# Altium PCB LCD12864.PcbDoc
Units mm, origin at the board's own origin, x right, y up, seen from the top; angles counter-clockwise.
Board outline 196.85 x 203.2 mm, 2 copper layers (Top Layer, Bottom Layer); 9 components, 17 nets, 98 pads, 0 vias.
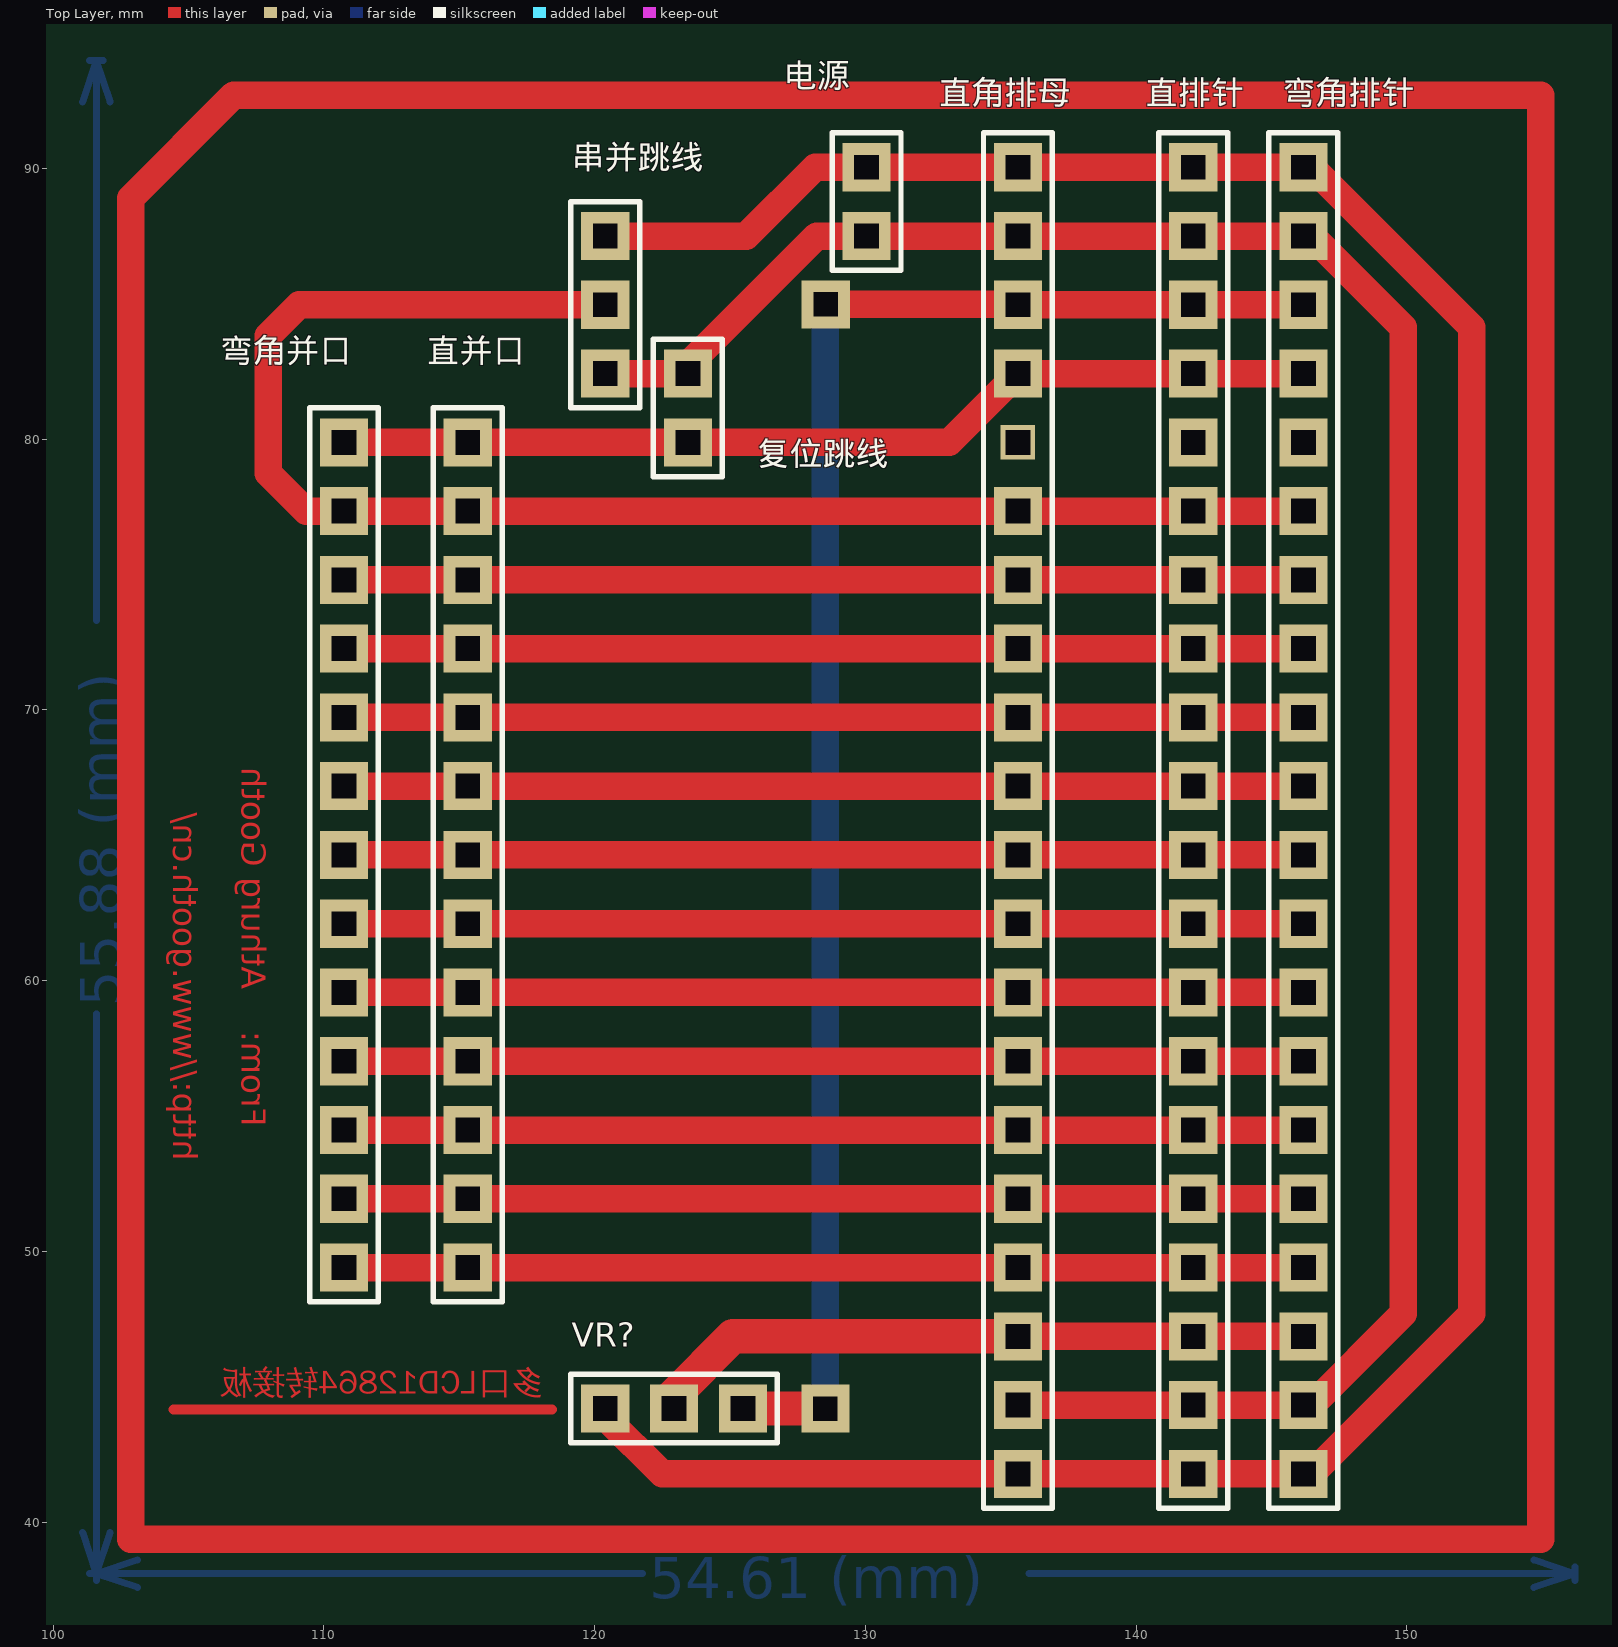
[diagram p0: Top Layer view]
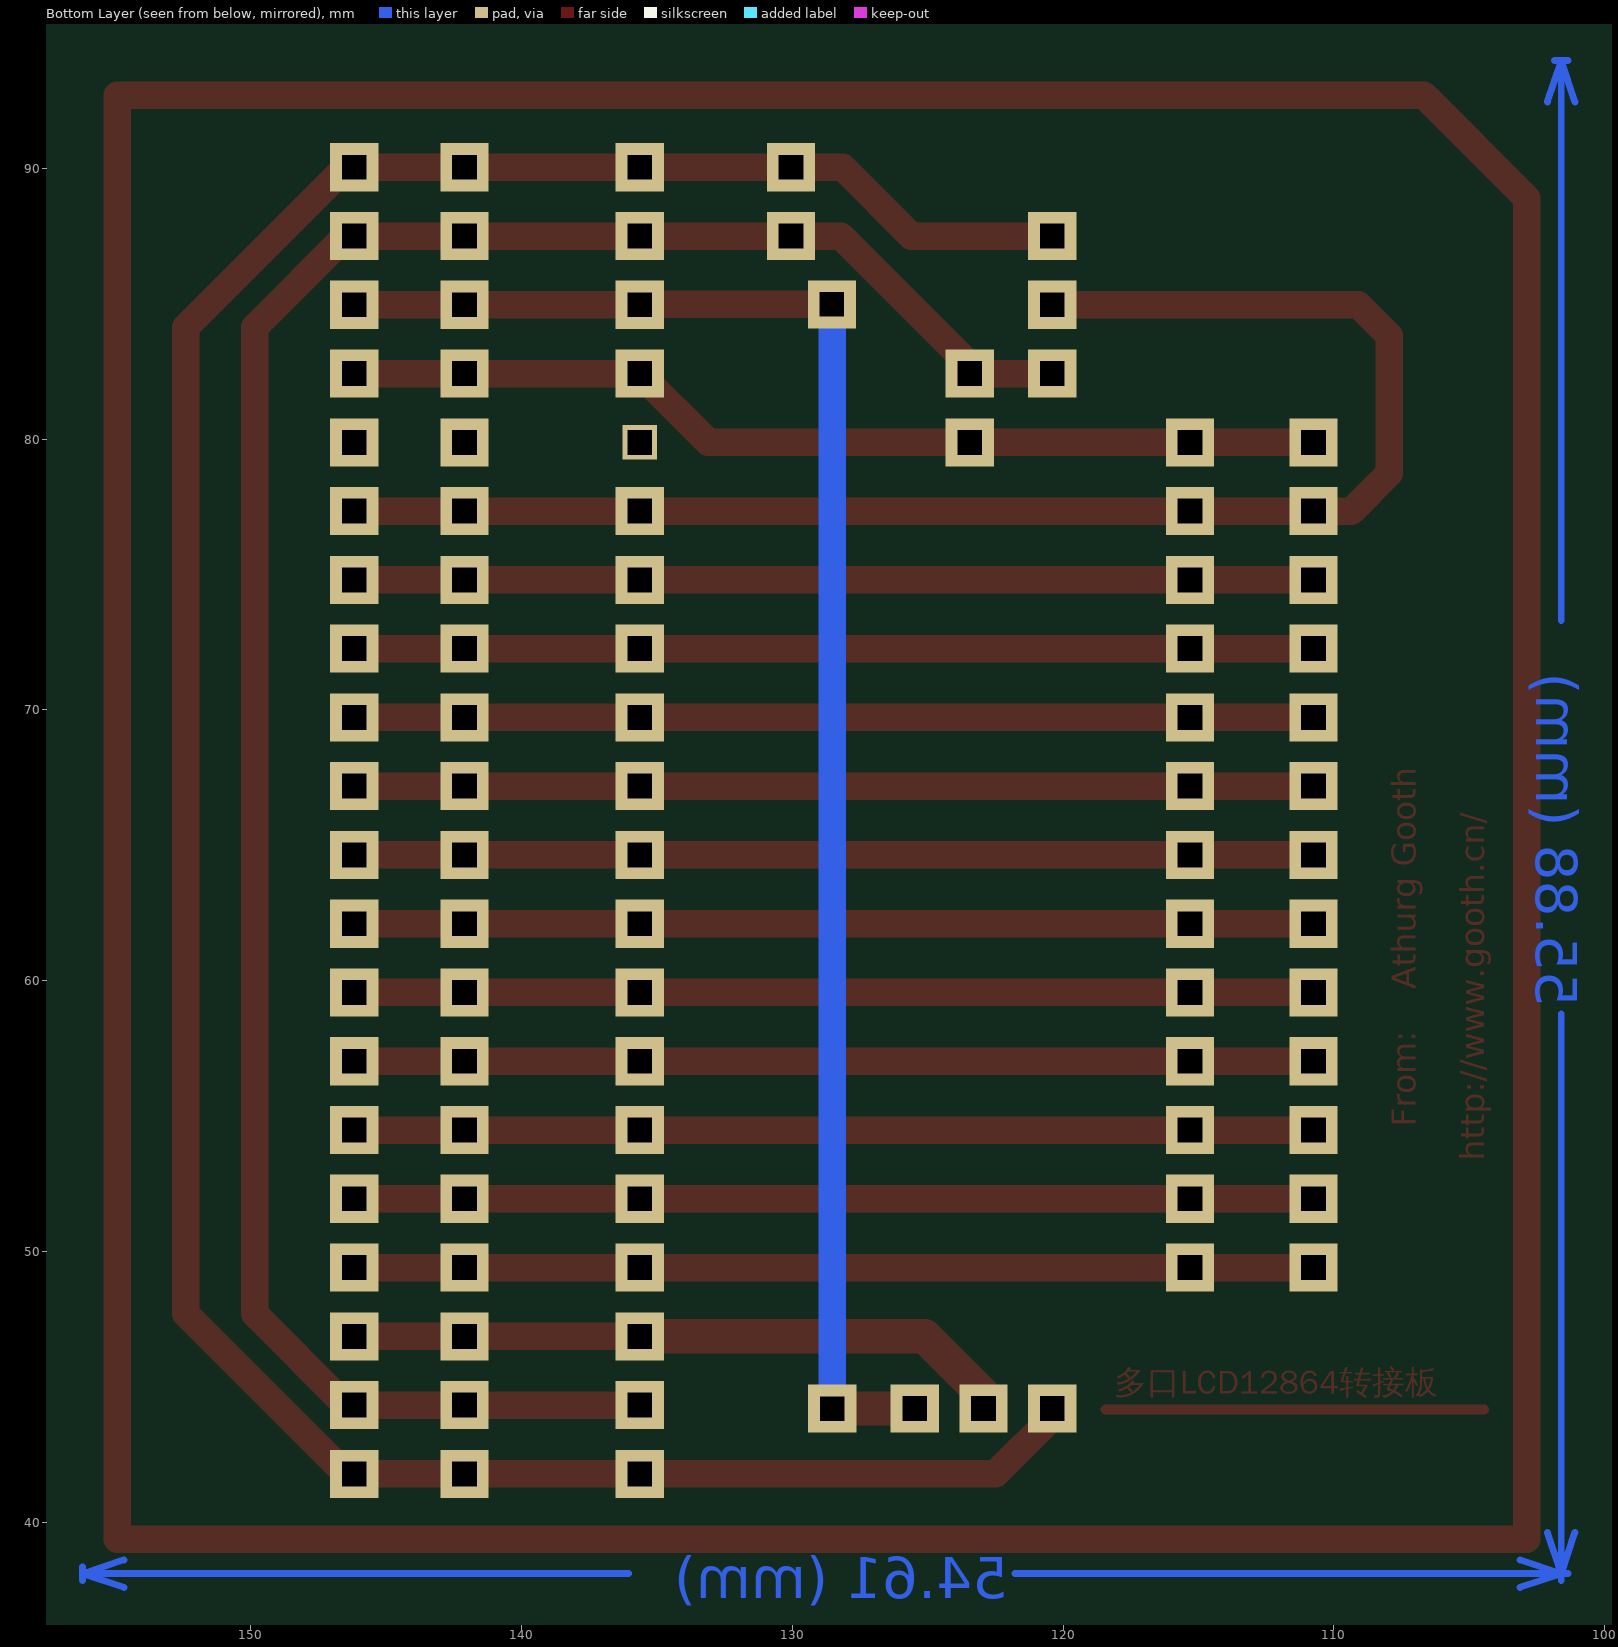
[diagram p1: Bottom Layer view, seen from below]

## Layer stack, top to bottom
Top Layer: signal copper 0.0356
Dielectric: dielectric 0.32, FR-4, Dk 4.8
Bottom Layer: signal copper 0.0356

## Board outline
25.4,25.4 222.25,25.4 215.9,31.75 215.9,228.6 25.4,228.6 25.4,25.4

## Design rules (kind name [scope] priority, off if disabled: settings)
Clearance [All] p1: gap=0.254
PolygonConnect [All] p1: connectstyle=Relief reliefconductorwidth=0.254 reliefentries=4 polygonreliefangle="90 Angle"
RoomDefinition LCD12864 [InComponentClass('LCD12864')] p1: confinementstyle=ConfineIn formatcopy=TRUE lockcomponents=FALSE outline 100.33,36.83 157.48,36.83 157.48,95.25 100.33,95.25
RoutingVias [All] p1: holewidth=0.711 width=1.27 viastyle="Through Hole" minholewidth=0.711 minwidth=1.27 maxholewidth=0.711 maxwidth=1.27
SilkscreenOverComponentPads [All] p1: minsilkscreentomaskgap=0.254
SolderMaskExpansion [All] p1: expansion=0.102
TestPointUsage [All] p1: valid=0 allowmultiple=FALSE
Testpoint [All] p1: side=15 testpointundercomponent=TRUE minsize=1.016 maxsize=2.54 preferedsize=1.524 minholesize=0 maxholesize=1.016 preferedholesize=0.813 testpointgrid=0.025 style=1023 order=0123456789
Width [All] p1: maxlimit=2.032 minlimit=0.381 preferedwidth=1.016
23 further rules are at their usual default settings.

## Components (designator, comment, footprint, x,y, rotation, side; value= is the part's Value field where it differs from the comment)
VR? "variable resister" HDR1X3 120.396,44.196 r0 top
串并跳线 "Header 3" HDR1X3 120.396,82.423 r90 top
复位跳线 "Header 2" HDR1X2 123.444,82.423 r270 top
弯角并口 "弯角并口" HDR1X13 110.744,49.403 r90 top
弯角排针 "弯角排针" HDR1X20#1 146.177,41.783 r90 top
电源 "电源" HDR1X2 130.048,87.503 r90 top
直并口 "直并口" HDR1X13 115.316,49.403 r90 top
直排针 "弯角插针" HDR1X20#1 142.113,41.783 r90 top
直角排母 "直角排母" HDR1X20#2 135.636,41.783 r90 top

## Footprints (in the part's own frame and the unit in brackets; to place one, negate y for a bottom-side part, rotate by r counter-clockwise, add the part's x,y. Pads: shape width x height; smd on the part's side, far side on the other; paste and mask are expansions set on the pad)
HDR1X2 [mil] "Connector; Header; 2 Position"
  rect 70x70 hole 35.43 square: 1(0,0) 2(100,0)
  silkscreen extent -50,-50 150,50
HDR1X3 [mil] "Connector; Header; 3 Position"
  rect 70x70 hole 35.43 square: 1(0,0) 2(100,0) 3(200,0)
  silkscreen extent -50,-50 250,50
HDR1X13 [mil] "Connector; Header; 13 Position"
  rect 70x70 hole 35.43 square: 1(0,0) 2(100,0) 3(200,0) 4(300,0) 5(400,0) 6(500,0) 7(600,0) 8(700,0) 9(800,0) 10(900,0) 11(1000,0) 12(1100,0) 13(1200,0)
  silkscreen extent -50,-50 1250,50
HDR1X20#1 [mil] "Connector; Header; 20 Position"
  rect 70x70 hole 35.43 square: 1(0,0) 2(100,0) 3(200,0) 4(300,0) 5(400,0) 6(500,0) 7(600,0) 8(700,0) 9(800,0) 10(900,0) 11(1000,0) 12(1100,0) 13(1200,0) 14(1300,0) 15(1400,0) 16(1500,0) 17(1600,0) 18(1700,0) 19(1800,0) 20(1900,0)
  silkscreen extent -50,-50 1950,50
HDR1X20#2 [mil] "Connector; Header; 20 Position"
  rect 70x70 hole 35.43 square: 1(0,0) 2(100,0) 3(200,0) 4(300,0) 5(400,0) 6(500,0) 7(600,0) 8(700,0) 9(800,0) 10(900,0) 11(1000,0) 12(1100,0) 13(1200,0) 14(1300,0) 15(1400,0) 17(1600,0) 18(1700,0) 19(1800,0) 20(1900,0)
  rect 50x50 hole 35.43 square: 16(1500,0)
  silkscreen extent -50,-50 1950,50

## Part data
VR?: library part vr
串并跳线: "Header, 3-Pin"
复位跳线: "Header, 2-Pin"
弯角并口 直并口: library part "Header 12", "Header, 12-Pin"
弯角排针 直排针 直角排母: library part "Header 20", "Header, 20-Pin"
电源: library part "Header 2", "Header, 2-Pin"

## Free pads (board coordinates)
  rect 1.778x1.778 hole 0.889 square: 0(128.524,44.196) 0(128.536,84.975)

## Nets (pads, with @x,y where several pads share a name; then routed paths per layer and width w, separated by ;. In a path a pad name is that pad's centre, name@x,y a point inside that pad or via, vN(x,y) a via of type N, cw(c..) or ccw(c..) an arc to the next point about the centre after c; other vN are vias at no path point)
GND: VR?.1 串并跳线.3 弯角排针.1 弯角排针.20 电源.2 直排针.1 直排针.20 直角排母.1 直角排母.20 | length 110.5
  Top Layer w1.016: VR?.1 120.396,43.88 122.493,41.783 128.27,41.783 ; 串并跳线.3 125.603,87.503 128.143,90.043 电源.2 直角排母.20 直排针.20 弯角排针.20 ; 125.541,41.783 128.27,41.783 ; 弯角排针.20@146.177,89.821 弯角排针.20 ; 128.27,41.783 直角排母.1 直排针.1 弯角排针.1 146.493,41.783 152.4,47.69 152.4,84.136 146.493,90.043 弯角排针.20
NetVR?_2: VR?.2 弯角排针.3 直排针.3 直角排母.3 | length 26
  Top Layer w1.016: 直角排母.3 直排针.3 弯角排针.3
  Top Layer w1.27: VR?.2 122.936,44.691 125.108,46.863 129.54,46.863 ; 128.156,46.863 129.54,46.863 ; 直角排母.3 129.54,46.863
NetVR?_3: pad.0 VR?.3 弯角排针.18 直排针.18 直角排母.18 | length 61.6
  Top Layer w1.016: pad.0@128.536,84.975 135.624,84.975 直角排母.18 直排针.18 弯角排针.18
  Top Layer w1.27: VR?.3 pad.0@128.675,44.196
  Bottom Layer w1.016: pad.0@128.524,44.196 128.524,84.963 pad.0@128.536,84.975
Net串并跳线_2: 串并跳线.2 弯角并口.12 弯角排针.15 直并口.12 直排针.15 直角排母.15 | length 56.8
  Top Layer w1.016: 串并跳线.2 109.093,84.963 107.95,83.82 107.95,78.74 109.347,77.343 110.428,77.343 弯角并口.12 直并口.12 直角排母.15 直排针.15 弯角排针.15
Net复位跳线_2: 复位跳线.2 弯角并口.13 弯角排针.17 直并口.13 直排针.17 直角排母.17 | length 35.5
  Top Layer w1.016: 111.76,79.883 133.096,79.883 直角排母.17 直排针.17 弯角排针.17
Net弯角并口_1: 弯角并口.1 弯角排针.4 直并口.1 直排针.4 直角排母.4 | length 35.7
  Top Layer w1.016: 弯角并口.1@110.49,49.403 直角排母.4 直排针.4 弯角排针.4
Net弯角并口_2: 弯角并口.2 弯角排针.5 直并口.2 直排针.5 直角排母.5 | length 35.4
  Top Layer w1.016: 弯角并口.2 直角排母.5 直排针.5 弯角排针.5
Net弯角并口_3: 弯角并口.3 弯角排针.6 直并口.3 直排针.6 直角排母.6 | length 35.4
  Top Layer w1.016: 弯角并口.3 直角排母.6 直排针.6 弯角排针.6
Net弯角并口_4: 弯角并口.4 弯角排针.7 直并口.4 直排针.7 直角排母.7 | length 35.4
  Top Layer w1.016: 弯角并口.4 直角排母.7 直排针.7 弯角排针.7
Net弯角并口_5: 弯角并口.5 弯角排针.8 直并口.5 直排针.8 直角排母.8 | length 35.4
  Top Layer w1.016: 弯角并口.5 直角排母.8 直排针.8 弯角排针.8
Net弯角并口_6: 弯角并口.6 弯角排针.9 直并口.6 直排针.9 直角排母.9 | length 35.7
  Top Layer w1.016: 弯角并口.6@110.49,62.103 直角排母.9 直排针.9 弯角排针.9
Net弯角并口_7: 弯角并口.7 弯角排针.10 直并口.7 直排针.10 直角排母.10 | length 35.7
  Top Layer w1.016: 弯角并口.7@110.49,64.643 直角排母.10 直排针.10 弯角排针.10
Net弯角并口_8: 弯角并口.8 弯角排针.11 直并口.8 直排针.11 直角排母.11 | length 35.4
  Top Layer w1.016: 弯角并口.8 直角排母.11 直排针.11 弯角排针.11
Net弯角并口_9: 弯角并口.9 弯角排针.12 直并口.9 直排针.12 直角排母.12 | length 35.4
  Top Layer w1.016: 弯角并口.9 直角排母.12 直排针.12 弯角排针.12
Net弯角并口_10: 弯角并口.10 弯角排针.13 直并口.10 直排针.13 直角排母.13 | length 35.7
  Top Layer w1.016: 弯角并口.10@110.49,72.263 直角排母.13 直排针.13 弯角排针.13
Net弯角并口_11: 弯角并口.11 弯角排针.14 直并口.11 直排针.14 直角排母.14 | length 35.7
  Top Layer w1.016: 弯角并口.11@110.49,74.803 直角排母.14 直排针.14 弯角排针.14
VCC: 串并跳线.1 复位跳线.1 弯角排针.2 弯角排针.19 电源.1 直排针.2 直排针.19 直角排母.2 直角排母.19 | length 85.2
  Top Layer w1.016: 串并跳线.1 复位跳线.1 123.444,82.739 128.208,87.503 电源.1 直角排母.19 直排针.19 弯角排针.19 146.493,87.503 149.86,84.136 149.86,47.69 146.493,44.323 弯角排针.2 直排针.2 直角排母.2
pads on no net: 弯角排针.16 直排针.16 直角排母.16
copper on no net: | length 319.1
  Top Layer w0.381: 104.451,44.161 118.421,44.161
  Top Layer w1.016: 102.87,39.37 147.32,39.37 154.94,39.37 154.94,46.99 154.94,92.71 106.68,92.71 102.87,88.9 102.87,39.37
  Bottom Layer w0.254: 101.092,39.624 101.6,38.1 ; 101.092,92.456 101.6,93.98 ; 101.346,38.1 101.854,38.1 ; 101.346,93.98 101.854,93.98 ; 101.6,37.846 101.6,38.354 ; 101.6,58.778 101.6,38.1 ; 101.6,73.302 101.6,93.98 ; 102.108,39.624 101.6,38.1 ; 102.108,92.456 101.6,93.98 ; 103.124,37.592 101.6,38.1 ; 103.124,38.608 101.6,38.1 ; 121.77,38.1 101.6,38.1 ; 136.04,38.1 156.21,38.1 ; 154.686,37.592 156.21,38.1 ; 154.686,38.608 156.21,38.1 ; 156.21,37.846 156.21,38.354

## Other copper
Top Layer:
  text "Athurg Gooth" at 106.68,59.69 h1.52 r270
  text "From:" at 106.68,54.61 h1.52 r270
  text "http://www.gooth.cn/" at 104.14,53.34 h1.52 r270
  text "多口LCD12864转接板" at 118.11,44.45 h1.52
Bottom Layer:
  text "55.88 (mm)" at 102.514,59.032 h1.52 r90
  text "54.61 (mm)" at 122.024,37.186 h1.52